# Altium PCB Thermostat_8CH.PCBDOC (part 6 of 10)
Units mil, origin at the board's own origin, x right, y up, seen from the top; angles counter-clockwise.
Board outline 8409.08 x 3937.01 mil, 4 copper layers (TOP, G1, L2, BOT), stack 61.024 mil thick; 941 components, 513 nets, 2912 pads, 1409 vias.
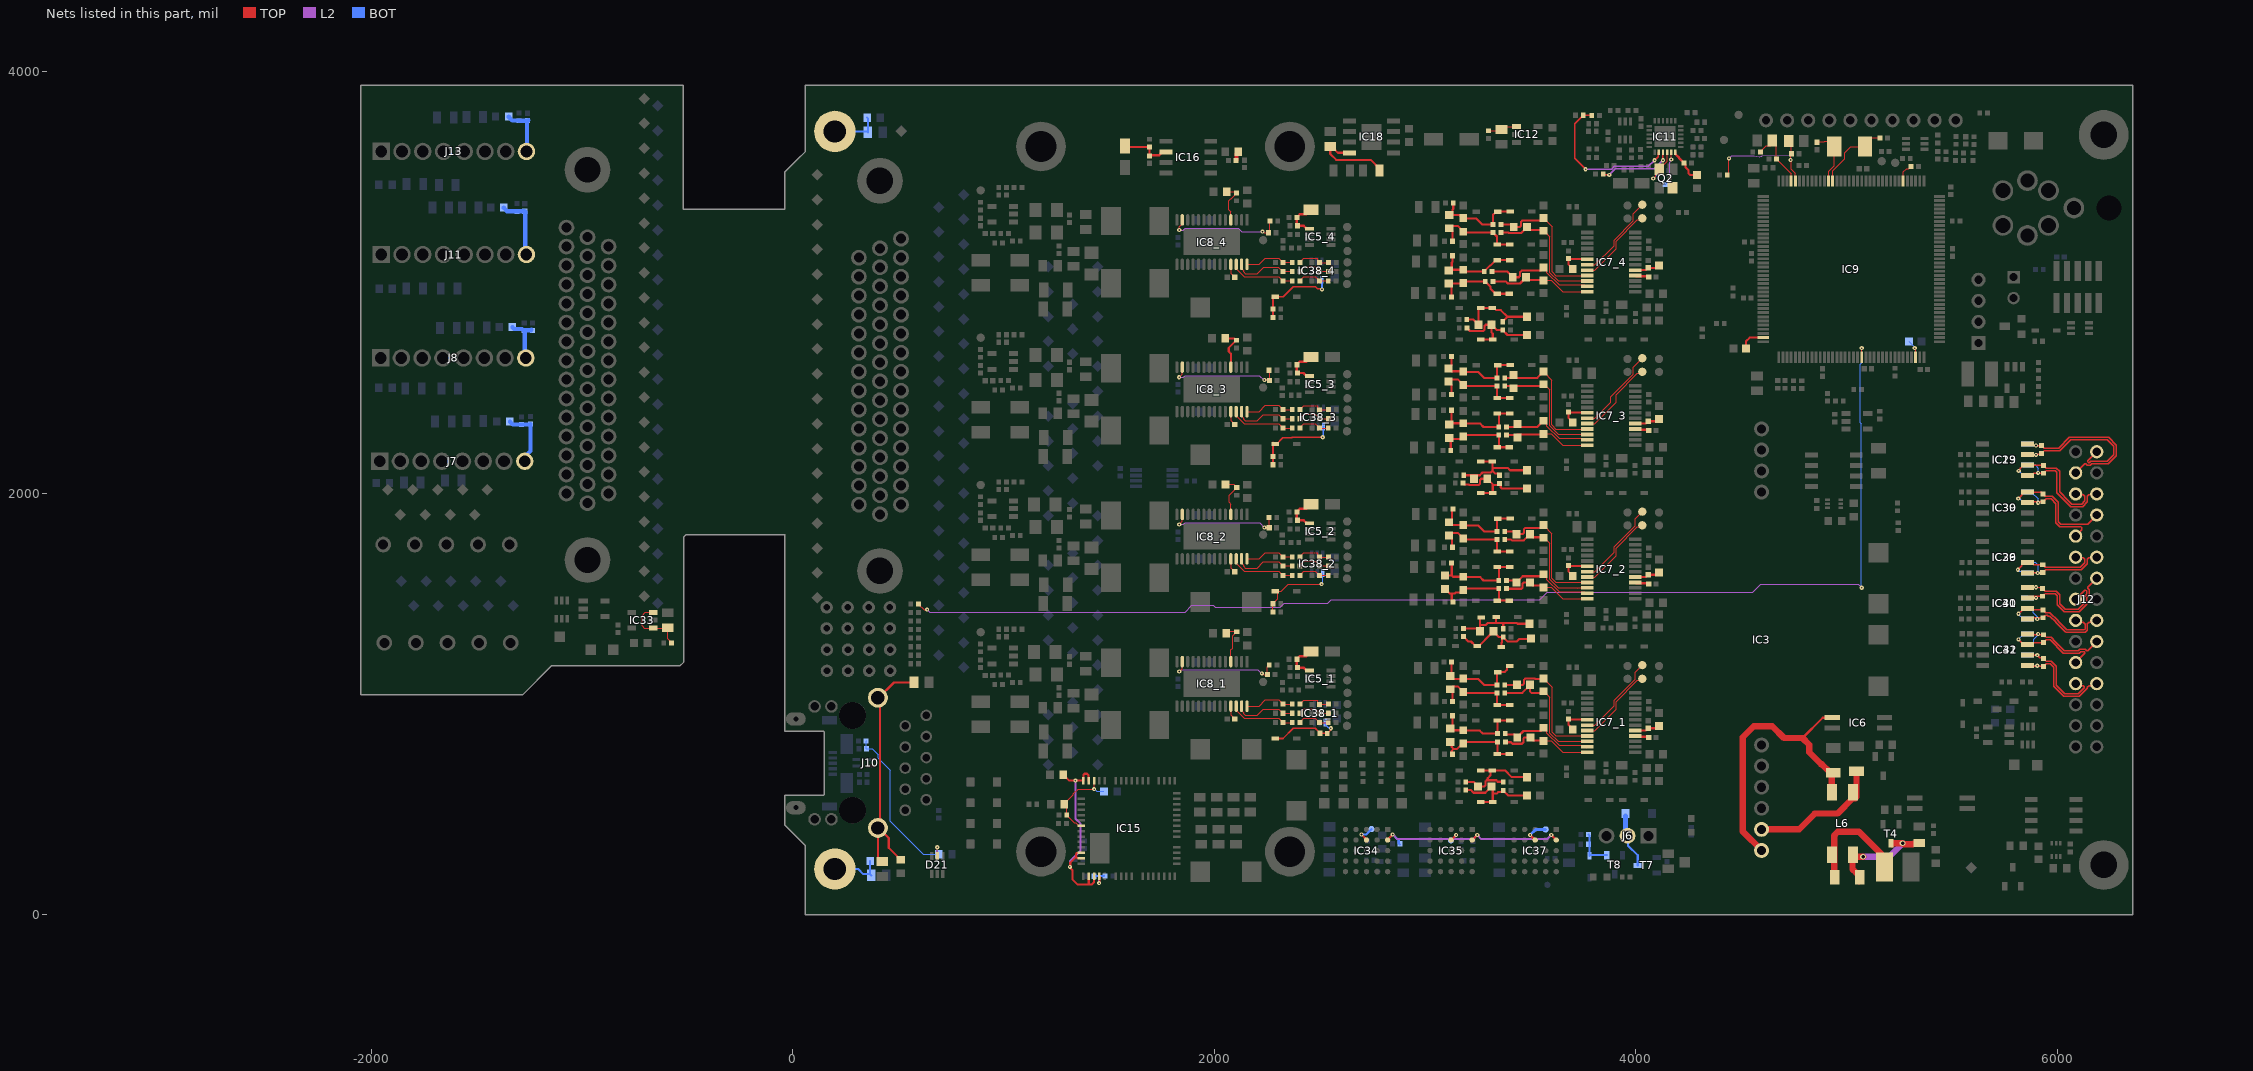
[diagram p8: the nets of this part, all layers, seen from the top]

## Via types
v1: diameter 19.68, hole 7.87, TOP to BOT, tented both sides, 1030 vias
v2: diameter 27.56, hole 15.75, TOP to BOT, tented both sides, 191 vias
v3: diameter 23.62, hole 11.81, TOP to BOT, tented both sides, 97 vias
v4: diameter 23.62, hole 11.81, TOP to BOT, 81 vias
v5: diameter 25.98, hole 12.99, TOP to BOT, tented both sides, 10 vias

## Nets (pads, with @x,y where several pads share a name; then routed paths per layer and width w, separated by ;. In a path a pad name is that pad's centre, name@x,y a point inside that pad or via, vN(x,y) a via of type N, cw(c..) or ccw(c..) an arc to the next point about the centre after c; other vN are vias at no path point) (continued)
LED7: IC9.93 R150.1 | length 5748
  TOP w5: R150.1@595.85,1474.19 622.14,1447.91 v1(636.84,1447.91) ; IC9.93@5071.96,2645.41 v1(5071.96,2688.98)
  L2 w5: v1(636.84,1447.91) 648.72,1436.02 1862,1436.02 1893.58,1467.6 1995.45,1467.6 2004.26,1458.79 2311.74,1458.79 2331.47,1478.52 2538.25,1478.52 2553.56,1493.83 3543.42,1493.83 3580.8,1531.21 4554.03,1531.21 4591.67,1568.85 5054.62,1568.85 v1(5071.96,1551.51)
  BOT w5: v1(5071.96,1551.51) 5069.57,1553.9 5069.57,2330.94 5065.26,2335.25 5065.26,2613.09 5071.96,2619.8 v1(5071.96,2688.98)
LEDR: IC11.2 R17.1 R28.1 | length 727.7
  TOP w6: v1(3761.98,3537.4) 3709.56,3589.82 3709.56,3753.25 3741.35,3785.04 3742.14,3785.04 3750.55,3793.46 R17.1@3750.55,3794.24 3789.92,3794.24 R28.1@3790.85,3793.31 ; v1(4089.36,3580.39) 4106.53,3597.56 4106.53,3615.6 IC11.2@4109.04,3618.11
  L2 w6: v1(3761.98,3537.4) 3884.64,3537.4 3898.2,3550.96 4059.94,3550.96 v1(4089.36,3580.39)
LEDY: IC11.3 R11.1 | length 351.7
  TOP w6: R11.1@3845.28,3515.75 3849.73,3511.29 v1(3874.09,3511.29) ; v1(4128.73,3580.36) IC11.3@4128.73,3618.11
  L2 w6: v1(3874.09,3511.29) 3902.76,3539.96 4088.33,3539.96 v1(4128.73,3580.36)
LVDS0_N: IC19.4 IC23.5 J12.3 R109.2 | length 752
  TOP w5.98: v1(5899,2227.13) 5902.71,2227.13 5905.35,2224.49 5922.94,2224.49 R109.2@5924.98,2226.53 5925.77,2226.53 5934.19,2218.11 5934.19,2217.53 5937.7,2214.02 6006.22,2214.02 6057.84,2265.64 6243.22,2265.64 6279.7,2229.15 6279.7,2177.57 6242.62,2140.49 6164.76,2140.49 6157.32,2133.06 6142.44,2133.06 6135.42,2140.07 6130.47,2140.07 J12.3@6087.18,2096.79
  BOT w5: IC23.5@5858.02,2234.29 5865.3,2227 v1@5899,2227
LVDS0_P: IC19.3 IC23.6 J12.2 R109.1 | length 701.2
  TOP w5.98: v1(5899,2182.33) 5902.71,2182.33 5905.35,2184.97 5920.43,2184.97 R109.1@5924.98,2189.52 5925.77,2189.52 5934.19,2197.95 5934.19,2198.53 5937.7,2202.04 6011.19,2202.04 6062.81,2253.65 6238.25,2253.65 6247.43,2244.47 6255.91,2236 6267.72,2224.19 6267.72,2182.54 6237.66,2152.48 6159.8,2152.48 6152.36,2145.04 6147.4,2145.04 6143.9,2148.55 6143.9,2153.5 J12.2@6187.18,2196.79
  BOT w5: IC23.6@5858.02,2184.29 5859.98,2182.33 v1(5899,2182.33)
LVDS1_N: IC19.1 IC23.7 J12.6 R122.1 | length 587
  TOP w5.98: IC19.1@5858.02,2084.29 5876.72,2084.29 5887.43,2095 5909,2095 R122.1@5934.69,2095 5935.47,2095 5943.9,2103.42 5943.9,2104 5947.4,2107.51 5990.08,2107.51 5998.63,2098.96 5998.63,2002.25 6063.82,1937.07 6121.36,1937.07 6143.17,1958.88 6143.17,1986.28 6150.21,1993.33 6183.72,1993.33 J12.6@6187.18,1996.79
  BOT w5: IC23.7@5858.02,2134.29 5894.66,2134.29 5909,2119.95 v1(5909,2097)
LVDS1_P: IC19.2 IC23.8 J12.5 R122.2 | length 589.7
  TOP w5.98: v1(5817.01,2106.59) 5817.01,2109.48 5824.48,2116.95 5824.48,2117.68 5830.5,2123.69 5830.5,2125.47 5839.32,2134.29 IC19.2@5858.02,2134.29 5860.3,2132 R122.2@5934.69,2132 5935.47,2132 5943.9,2123.58 5943.9,2123 5947.4,2119.49 5995.04,2119.49 6010.62,2103.92 6010.62,2007.22 6029.75,1988.08 6033.99,1983.85 6068.78,1949.05 6116.4,1949.05 6131.19,1963.84 6131.19,1986.28 6124.15,1993.33 6090.64,1993.33 J12.5@6087.18,1996.79
  BOT w5: v1(5817.01,2106.59) 5819,2104.6 5839.32,2084.29 IC23.8@5858.02,2084.29
LVDS2_N: IC30.7 IC39.1 J12.9 R173.1 | length 509.2
  TOP w5.98: IC30.7@5858.01,1955.38 5862.48,1959.84 R173.1@5932.4,1959.84 5933.19,1959.84 5947.65,1974.3 5964.47,1974.3 5970.46,1974.3 5993.41,1951.35 5993.41,1860.66 6012.55,1841.52 6111.47,1841.52 6114.97,1838.01 6114.97,1826.23 6087.18,1798.44 J12.9@6087.18,1796.79
  BOT w5: IC39.1@5858.02,2005.37 5876.72,2005.37 5909,1973.09 v1(5909,1955.37)
LVDS2_P: IC30.8 IC39.2 J12.8 R173.2 | length 575.2
  TOP w5.98: v1(5814.56,1974.47) 5830.49,1990.39 5830.49,1996.56 5839.31,2005.38 IC30.8@5858.01,2005.38 5919.69,2005.38 5919.79,2005.28 5923.98,2005.28 R173.2@5932.4,1996.85 5933.19,1996.85 5943.76,1986.28 5954.94,1986.28 5975.43,1986.28 6005.4,1956.31 6005.4,1865.62 6017.52,1853.5 6116.43,1853.5 6117.46,1852.47 6134.39,1852.47 6135.42,1853.5 6143.9,1853.5 J12.8@6187.18,1896.79
  BOT w5: v1(5814.56,1974.47) 5815.94,1973.09 5821.6,1973.09 5839.32,1955.37 IC39.2@5858.02,1955.37
LVDS3_N: IC29.1 IC36.7 J12.12 R111.1 | length 465.2
  TOP w5.98: IC29.1@5858.01,1621.79 5859.84,1623.62 R111.1@5930.97,1623.62 5931.76,1623.62 5940.18,1632.04 5940.18,1632.62 5943.69,1636.13 5972.77,1636.13 5973.63,1636.99 6113.95,1636.99 6143.17,1666.21 6143.17,1686.73 6150.21,1693.77 6184.17,1693.77 J12.12@6187.18,1696.79
  BOT w5: IC36.7@5858.01,1671.79 5894.66,1671.79 5909,1657.45 v1@5909,1621.79
  other v1: 5907.03,1621.79
LVDS3_P: IC29.2 IC36.8 J12.11 R111.2 | length 471.7
  TOP w5.98: v1(5813.04,1636.93) 5831.43,1655.32 5831.43,1662.97 5840.25,1671.79 IC29.2@5858.01,1671.79 5876.71,1671.79 5887.87,1660.63 R111.2@5930.97,1660.63 5931.76,1660.63 5940.18,1652.2 5940.18,1651.62 5943.69,1648.11 5967.8,1648.11 5968.66,1648.97 6108.99,1648.97 6131.19,1671.17 6131.19,1686.73 6124.15,1693.77 6090.19,1693.77 J12.11@6087.18,1696.79
  BOT w5: v1(5813.04,1636.93) 5814.21,1636.93 5820.04,1631.1 5848.7,1631.1 IC36.8@5858.01,1621.79
LVDS4_N: IC31.4 IC40.5 J12.15 R116.2 | length 516.8
  TOP w5: IC31.4@5858.01,1553.79 v1(5899,1553.79) 5915.39,1553.79 R116.2@5921.26,1547.91
  TOP w5.98: R116.2@5929.14,1548.5 5929.93,1548.5 5938.35,1540.08 5938.35,1539.5 5941.86,1535.99 5994.83,1535.99 6012.29,1518.53 6012.29,1475.17 6037.26,1450.2 6098.53,1450.2 6127.65,1479.32 6127.65,1510.05 6138.93,1521.33 6138.93,1536.57 6135.42,1540.07 6130.47,1540.07 J12.15@6087.18,1496.79
  BOT w5: IC40.5@5858.01,1553.79 v1(5899,1553.79)
LVDS4_P: IC31.3 IC40.6 J12.14 R116.1 | length 555.2
  TOP w5.98: IC31.3@5858.01,1503.79 5865.72,1511.5 R116.1@5929.14,1511.5 5929.93,1511.5 5938.35,1519.92 5938.35,1520.5 5941.86,1524.01 5989.86,1524.01 5995.35,1518.53 6000.31,1513.56 6000.31,1470.2 6003.82,1466.69 6032.3,1438.21 6103.49,1438.21 6139.64,1474.36 6139.64,1505.09 6150.91,1516.36 6150.91,1541.53 6143.9,1548.55 6143.9,1553.5 J12.14@6187.18,1596.79
  BOT w5: IC40.6@5858.01,1503.79 v1(5899,1503.79)
LVDS5_N: IC31.1 IC40.7 J12.18 R114.1 | length 492.4
  TOP w5.98: IC31.1@5858.01,1403.79 5863.87,1409.65 R114.1@5931.76,1409.65 5932.55,1409.65 5940.97,1418.07 5940.97,1418.65 5944.48,1422.16 5952.94,1422.16 5957.62,1417.48 5963.7,1417.48 5991.84,1389.34 5991.84,1388.41 6037.88,1342.37 6039.29,1342.37 6040.8,1340.86 6133.23,1340.86 6143.17,1350.8 6143.17,1380.68 6150.6,1388.1 6178.5,1388.1 J12.18@6187.18,1396.79
  BOT w5: IC40.7@5858.01,1453.79 5876.71,1453.79 5886.02,1444.48 5886.02,1433.63 5905.03,1414.63 v1(5905.03,1403.79)
LVDS5_P: IC31.2 IC40.8 J12.17 R114.2 | length 501.9
  TOP w5.98: v1(5815.94,1428.15) 5830.49,1442.7 5830.49,1444.97 5839.31,1453.79 IC31.2@5858.01,1453.79 5865.14,1446.65 R114.2@5931.76,1446.65 5932.55,1446.65 5940.97,1438.23 5940.97,1437.65 5944.48,1434.14 5963.98,1434.14 6003.82,1394.31 6003.82,1393.38 6013.28,1383.92 6045.35,1351.85 6128.68,1351.85 6132.19,1355.35 6132.19,1379.68 6123.77,1388.1 6095.86,1388.1 J12.17@6087.18,1396.79
  BOT w5: v1(5815.94,1428.15) 5815.94,1427.16 5839.31,1403.79 IC40.8@5858.01,1403.79
LVDS6_N: IC32.7 IC41.1 J12.21 R174.1 | length 484.8
  TOP w5.98: v1(5815.94,1306.97) 5831.73,1291.18 5831.73,1290.71 5840.55,1281.89 IC32.7@5859.25,1281.89 5877.95,1281.89 5887.56,1291.5 R174.1@5934.69,1291.5 5935.47,1291.5 5943.9,1299.92 5943.9,1300.5 5947.4,1304.01 5965.57,1304.01 6027.94,1241.63 6104.82,1241.63 6111.72,1248.53 6126.96,1248.53 6130.47,1245.03 6130.47,1240.07 J12.21@6087.18,1196.79
  BOT w5: v1(5815.94,1306.97) 5815.94,1307.28 5840.55,1331.89 IC41.1@5859.25,1331.89
LVDS6_P: IC32.8 IC41.2 J12.20 R174.2 | length 465.9
  TOP w5.98: IC32.8@5859.25,1331.89 5862.64,1328.5 R174.2@5934.69,1328.5 5935.47,1328.5 5943.9,1320.08 5943.9,1319.5 5947.4,1315.99 5970.53,1315.99 5990.45,1296.08 6001.89,1284.64 6032.91,1253.61 6099.85,1253.61 6106.76,1260.52 6131.92,1260.52 6138.94,1253.5 6143.9,1253.5 J12.20@6187.18,1296.79
  BOT w5: IC41.2@5859.25,1281.89 5877.95,1281.89 5887.26,1291.2 5887.26,1306.97 5909,1328.71 v1(5909,1331.89)
LVDS7_N: IC32.5 IC41.4 J12.24 R175.2 | length 525.4
  TOP w5.98: IC32.5@5859.25,1181.89 5862.86,1178.28 R175.2@5934.69,1178.28 5935.47,1178.28 5943.9,1186.71 5943.9,1187.29 5947.4,1190.8 5965.98,1190.8 5983.36,1173.42 5983.36,1083.38 6030.47,1036.28 6104.54,1036.28 6143.17,1074.91 6143.17,1079.87 6151,1087.7 6178.09,1087.7 J12.24@6187.18,1096.79
  BOT w5: IC41.4@5859.25,1181.89 v1(5905.03,1181.89)
LVDS7_P: IC32.6 IC41.3 J12.23 R175.1 | length 508.9
  TOP w5.98: IC32.6@5859.25,1231.89 v1(5905.03,1231.89) 5917.01,1219.9 5930.07,1219.9 R175.1@5934.69,1215.29 5935.47,1215.29 5943.9,1206.87 5943.9,1206.29 5947.4,1202.78 5970.95,1202.78 5976.28,1197.45 5995.35,1178.38 5995.35,1088.34 6003.82,1079.87 6035.43,1048.26 6099.58,1048.26 6128.71,1077.39 6128.71,1082.35 6123.36,1087.7 6096.27,1087.7 J12.23@6087.18,1096.79
  BOT w5: IC41.3@5859.25,1231.89 v1(5905.03,1231.89)
MaxCurrentNeg_1: C70_1.1 IC8_1.26 R56_1.2 | length 309.8
  TOP w5: IC8_1.26@2103.62,989.96 2103.62,969.88 2142.1,931.4 2305.3,931.4 C70_1.1@2325.01,911.7 R56_1.2@2369.29,911.7
MaxCurrentNeg_2: C70_2.1 IC8_2.26 R56_2.2 | length 309.8
  TOP w5: IC8_2.26@2103.62,1688.78 2103.62,1668.7 2142.1,1630.22 2305.3,1630.22 C70_2.1@2325.01,1610.52 R56_2.2@2369.29,1610.52
MaxCurrentNeg_3: C70_3.1 IC8_3.26 R56_3.2 | length 309.8
  TOP w5: IC8_3.26@2103.62,2387.6 2103.62,2367.52 2142.1,2329.04 2305.3,2329.04 C70_3.1@2325.01,2309.34 R56_3.2@2369.29,2309.34
MaxCurrentNeg_4: C70_4.1 IC8_4.26 R56_4.2 | length 309.8
  TOP w5: IC8_4.26@2103.62,3086.42 2103.62,3066.34 2142.1,3027.86 2305.3,3027.86 C70_4.1@2325.01,3008.15 R56_4.2@2369.29,3008.15
MaxCurrentPos_1: C72_1.1 IC8_1.27 R58_1.2 | length 293.2
  TOP w5: IC8_1.27@2129.21,989.96 2129.21,968.93 2139.33,958.81 2139.33,954.68 2147.54,946.47 2203.6,946.47 2232.98,975.84 2305.3,975.84 C72_1.1@2325.01,956.14 R58_1.2@2369.29,956.14
MaxCurrentPos_2: C72_2.1 IC8_2.27 R58_2.2 | length 293.2
  TOP w5: IC8_2.27@2129.21,1688.78 2129.21,1667.75 2139.33,1657.63 2139.33,1653.5 2147.54,1645.29 2203.6,1645.29 2232.98,1674.66 2305.3,1674.66 C72_2.1@2325.01,1654.96 R58_2.2@2369.29,1654.96
MaxCurrentPos_3: C72_3.1 IC8_3.27 R58_3.2 | length 293.2
  TOP w5: IC8_3.27@2129.21,2387.6 2129.21,2366.57 2139.33,2356.45 2139.33,2352.32 2147.54,2344.11 2203.6,2344.11 2232.98,2373.48 2305.3,2373.48 C72_3.1@2325.01,2353.78 R58_3.2@2369.29,2353.78
MaxCurrentPos_4: C72_4.1 IC8_4.27 R58_4.2 | length 294
  TOP w5: IC8_4.27@2129.21,3086.42 2129.21,3065.39 2139.33,3055.27 2139.33,3051.14 2147.54,3042.93 2203.6,3042.93 2234.03,3073.35 2304.25,3073.35 C72_4.1@2325.01,3052.59 R58_4.2@2369.29,3052.59
MaxVoltage_1: C74_1.1 IC8_1.28 R60_1.2 | length 235.5
  TOP w5: IC8_1.28@2154.8,989.96 2212,989.96 2242,1019.97 2304.36,1019.97 C74_1.1@2325.01,999.31 R60_1.2@2369.29,999.31
MaxVoltage_2: C74_2.1 IC8_2.28 R60_2.2 | length 235.5
  TOP w5: IC8_2.28@2154.8,1688.78 2212,1688.78 2242,1718.78 2304.36,1718.78 C74_2.1@2325.01,1698.13 R60_2.2@2369.29,1698.13
MaxVoltage_3: C74_3.1 IC8_3.28 R60_3.2 | length 235.5
  TOP w5: IC8_3.28@2154.8,2387.6 2212,2387.6 2242,2417.6 2304.36,2417.6 C74_3.1@2325.01,2396.95 R60_3.2@2369.29,2396.95
MaxVoltage_4: C74_4.1 IC8_4.28 R60_4.2 | length 235.5
  TOP w5: IC8_4.28@2154.8,3086.42 2212,3086.42 2242,3116.42 2304.36,3116.42 C74_4.1@2325.01,3095.77 R60_4.2@2369.29,3095.77
NetB8_1_1: B8_1.1 IC7_1.19 | length 415.4
  TOP w5: IC7_1.19@3768.53,899.54 3805.56,899.54 3896.71,990.69 3896.71,1016.96 3997.96,1118.2 3997.96,1151.74 B8_1.1@4030.82,1184.61
NetB8_2_1: B8_2.1 IC7_2.19 | length 415.4
  TOP w5: IC7_2.19@3768.53,1627.88 3805.56,1627.88 3896.71,1719.04 3896.71,1745.3 3997.13,1845.72 3997.13,1879.26 B8_2.1@4030.82,1912.95
NetB8_3_1: B8_3.1 IC7_3.19 | length 415.4
  TOP w5: IC7_3.19@3768.53,2356.23 3805.56,2356.23 3881.28,2431.95 3881.28,2458.22 3987.92,2564.85 3987.92,2598.39 B8_3.1@4030.82,2641.3
NetB8_4_1: B8_4.1 IC7_4.19 | length 415.4
  TOP w5: IC7_4.19@3768.53,3084.58 3805.56,3084.58 3896.71,3175.73 3896.71,3202 3987.92,3293.2 3987.92,3326.74 B8_4.1@4030.82,3369.64
NetB9_1_1: B9_1.1 IC7_1.20 | length 385.6
  TOP w5: IC7_1.20@3768.53,873.95 3805.56,873.95 3906.71,975.1 3906.71,1011.91 4007.87,1113.07 4024.25,1113.07 B9_1.1@4030.82,1119.64
NetB9_2_1: B9_2.1 IC7_2.20 | length 385.6
  TOP w5: IC7_2.20@3768.53,1602.29 3805.56,1602.29 3906.71,1703.45 3906.71,1740.26 4007.87,1841.41 4024.25,1841.41 B9_2.1@4030.82,1847.99
NetB9_3_1: B9_3.1 IC7_3.20 | length 385.6
  TOP w5: IC7_3.20@3768.53,2330.64 3805.56,2330.64 3906.71,2431.8 3906.71,2468.6 4007.87,2569.76 4024.25,2569.76 B9_3.1@4030.82,2576.34
NetB9_4_1: B9_4.1 IC7_4.20 | length 385.6
  TOP w5: IC7_4.20@3768.53,3058.99 3805.56,3058.99 3906.71,3160.14 3906.71,3196.95 4007.87,3298.11 4024.25,3298.11 B9_4.1@4030.82,3304.68
NetB10_1: B10.1 IC34.C2 | length 98
  TOP w10: v1@2695.23,377.91 v1@2701.15,377.91 ; v1(2698.08,380.97) v1@2701.15,377.91 ; v1@2701.27,377.91 v1@2701.15,377.91 ; IC34.C2@2722.11,357.07 v1@2701.15,377.91
  BOT w10: v1(2698.08,380.97) 2720.27,380.97 B10.1@2745.62,406.32
NetB18_1: B18.1 IC37.C2 | length 118.6
  TOP w13.78: v1(3498.32,378.45) IC37.C2@3522.36,354.55
  BOT w13.78: v1(3498.32,378.45) 3524.71,404.84 B18.1@3572.07,404.84
NetB19_1: B19.1 IC35.C2 | length 75.9
  TOP w10: IC35.C2@3123.25,354.71 v1@3144.09,375.66 ; v1@3144.09,375.55 v1@3144.09,375.66 ; v1@3144.09,381.59 v1@3144.09,375.66 ; v1(3147.15,378.74) v1@3144.09,375.66
  BOT w10: B19.1@3122.36,353.09 3147.15,377.87 v1(3147.15,378.74)
NetC5_1: C5.1 L6.2 R64.2 T4.3 | length 538.8
  TOP w30: L6.2@5030.31,285.43 5028,283.12 5028,216.01 5045.57,198.43 5055.42,198.43 5059.06,194.8 C5.1@5059.06,157.48 ; L6.2@5036.14,275.59 v2(5078.74,275.59) ; T4.3@5216.54,334.65 5220.89,339 v2(5266,339) 5271,334 5314.87,334 5317.8,336.93 5341.3,336.93 R64.2@5345,340.63
  L2 w30: v2(5078.74,275.59) 5202.59,275.59 v2(5266,339)
NetC5_2: C5.2 L1.2 L6.1 | length 542.2
  TOP w30: C5.2@4940.94,177.17 4940.94,285.43 4940.94,376.13 4958.52,393.7 5059.06,393.7 5164.76,287.99 5164.76,241.24 L1.2@5180.01,226
NetC6_2: C6.2 IC3.1 IC6.1 L6.4 | length 1389.1
  TOP w10: 4790.96,838.96 4886.83,934.83 4930.74,934.83 IC6.1@4932.39,936.48
  TOP w30: IC3.1@4596.85,305.24 4507.05,395.04 4507.05,842.43 4559.65,895.04 4647.27,895.04 4703.35,838.96 4790.96,838.96 4822.83,807.09 4822.83,770.55 4879.05,714.33 4883.11,714.33 4921.26,676.18 C6.2@4921.26,669.29 ; L6.4@4930.31,580.71 C6.2@4930.31,658.66
NetC7_2: C7.2 IC3.2 L6.3 | length 651.9
  TOP w30: IC3.2@4596.85,405.24 4774.89,405.24 4849.77,480.11 4956.88,480.11 5030.31,553.54 L6.3@5030.31,580.71 ; L6.3@5041.73,553.54 5047.24,559.06 C7.2@5047.24,681.1
NetC16_1_1: C16_1.1 C120_1.2 D30_1.2 D32_1.1 R140_1.2 R151_1.1 | length 498.1
  TOP w10: R140_1.2@3193.27,629.16 3232.03,629.16 3251.72,609.47 C120_1.2@3251.72,608.49 3280.15,608.49 3286.01,614.34 3286.01,632.31 3291.87,638.17 3297.19,638.17 ; D32_1.1@3264.76,684.27 3380.29,684.27 3411.79,652.78 C16_1.1@3483.01,652.78 ; D30_1.2@3315.2,684.27 3310.36,679.43 3310.36,661.34 3297.19,648.17 3297.19,638.17 ; R151_1.1@3370.81,629.16 3368.64,631.33 3344.39,631.33 3337.55,638.17 3297.19,638.17
NetC16_2_1: C16_2.1 C120_2.2 D30_2.2 D32_2.1 R140_2.2 R151_2.1 | length 478.3
  TOP w10: R140_2.2@3182.83,1358.29 3183.61,1357.5 C120_2.2@3244.18,1357.5 ; C120_2.2@3249.07,1359.63 C120_2.2@3259.58,1349.12 ; C120_2.2@3261.18,1343.94 3261.18,1349.12 3261.18,1374.5 ; D32_2.1@3266.68,1410.41 3266.02,1410.41 3261.18,1405.57 3261.18,1374.5 ; 3296.92,1384.67 3435.54,1384.67 3439.09,1381.12 C16_2.1@3494.64,1381.12 ; 3336.73,1384.71 3332.52,1384.71 ; D30_2.2@3336.73,1413 3336.73,1388.92 3332.52,1384.71 ; R151_2.1@3370.81,1357.5 3370.81,1381.08 ; 3261.18,1374.5 3286.75,1374.5 3296.96,1384.71 3332.52,1384.71
NetC16_3_1: C16_3.1 C120_3.2 D30_3.2 D32_3.1 R140_3.2 R151_3.1 | length 479.2
  TOP w10: R140_3.2@3183.41,2085.85 C120_3.2@3247.72,2085.85 ; C120_3.2@3232.03,2069.17 3232.03,2070.16 C120_3.2@3247.72,2085.85 ; D32_3.1@3264.76,2150.81 D30_3.2@3319.63,2150.81 3319.63,2114.61 ; R151_3.1@3352.31,2085.85 3352.31,2086.64 3345.89,2093.05 3332.9,2093.05 3319.63,2106.32 ; C16_3.1@3483.01,2109.47 3402.9,2109.47 3391.9,2120.46 3325.49,2120.46 3319.63,2114.61 ; C120_3.2@3247.72,2085.85 3259.17,2085.85 3272.18,2098.86 3312.17,2098.86 3319.63,2106.32 ; 3319.63,2106.32 3319.63,2114.61
NetC16_4_1: C16_4.1 C120_4.2 D30_4.2 D32_4.1 R140_4.2 R151_4.1 | length 445.7
  TOP w10: R140_4.2@3197.21,2825.02 3228.8,2825.02 C120_4.2@3252.9,2800.92 ; C120_4.2@3252.9,2799.94 C120_4.2@3252.9,2800.92 ; D30_4.2@3319.63,2879.16 3327.5,2879.16 3337.35,2869.31 ; R151_4.1@3368.42,2814.2 3368.42,2814.98 3391.26,2837.82 ; C16_4.1@3483.01,2837.82 3391.26,2837.82 ; C120_4.2@3252.9,2800.92 3252.9,2874.31 3257.74,2879.16 3306.91,2879.16 3308,2878.07 3308,2875.4 3331.26,2875.4 3337.35,2869.31 ; 3337.35,2869.31 3359.76,2869.31 3391.26,2837.82
NetC17_2: C17.2 IC9.106 | length 89
  TOP w5: v1(5323.94,2688.98) 5327.87,2685.05 IC9.106@5327.87,2645.41
  BOT w5: C17.2@5296.03,2721.2 5321.13,2696.11 5321.13,2691.79 v1(5323.94,2688.98)
NetC18_2: C18.2 IC9.71 | length 122.8
  TOP w10: C18.2@4522.14,2687.74 4522.14,2720.64 4540.42,2738.92 IC9.71@4604.44,2738.92
NetC19_1: C19.1 C37.1 IC16.2 R97.2 | length 248.1
  TOP w10: C37.1@1575.79,3647.64 1580.51,3642.91 R97.2@1692.91,3642.91 C19.1@1692.91,3601.38 1695.54,3604 1738.76,3604 1744.61,3609.86 1744.61,3613.79 1751.42,3620.6 IC16.2@1770.13,3620.6
NetC20_1_1: C20_1.1 C76_1.1 IC5_1.1 R71_1.1 | length 172.2
  TOP w11.81: C76_1.1@2389.76,1169.29 2391.54,1171.06 R71_1.1@2391.54,1212.6 ; C76_1.1@2393.7,1173.23 2423.43,1173.23 2437.21,1159.45 IC5_1.1@2439.96,1159.45 ; R71_1.1@2394.68,1217.52 2395.67,1217.52 2405.06,1226.91 2435.77,1226.91 C20_1.1@2457.88,1249.01
NetC20_2_1: C20_2.1 C76_2.1 IC5_2.1 R71_2.1 | length 172.2
  TOP w11.81: C76_2.1@2389.76,1868.11 2391.54,1869.88 R71_2.1@2391.54,1911.42 ; C76_2.1@2393.7,1872.05 2423.43,1872.05 2437.21,1858.27 IC5_2.1@2439.96,1858.27 ; R71_2.1@2394.68,1916.34 2395.67,1916.34 2405.06,1925.73 2435.77,1925.73 C20_2.1@2457.88,1947.83
NetC20_3_1: C20_3.1 C76_3.1 IC5_3.1 R71_3.1 | length 172.2
  TOP w11.81: C76_3.1@2389.76,2566.93 2391.54,2568.7 R71_3.1@2391.54,2610.24 ; C76_3.1@2393.7,2570.87 2423.43,2570.87 2437.21,2557.09 IC5_3.1@2439.96,2557.09 ; R71_3.1@2394.68,2615.16 2395.67,2615.16 2405.06,2624.54 2435.77,2624.54 C20_3.1@2457.88,2646.65
NetC20_4_1: C20_4.1 C76_4.1 IC5_4.1 R71_4.1 | length 172.2
  TOP w11.81: C76_4.1@2389.76,3265.75 2391.54,3267.52 R71_4.1@2391.54,3309.06 ; C76_4.1@2393.7,3269.68 2423.43,3269.68 2437.21,3255.91 IC5_4.1@2439.96,3255.91 ; R71_4.1@2394.68,3313.98 2395.67,3313.98 2405.06,3323.36 2435.77,3323.36 C20_4.1@2457.88,3345.47
NetC21_1: C21.1 IC9.23 Q1.1 | length 360.7
  TOP w5: IC9.23@4934.17,3482.03 4934.17,3530.51 4991.1,3587.45 4991.1,3616.63 5019.52,3645.05 Q1.1@5087.29,3645.05 5118.25,3676.01 5118.25,3686.21 C21.1@5158.86,3686.21
NetC22_1: C22.1 IC9.24 Q1.2 | length 269.4
  TOP w5: C22.1@4859.66,3665.62 4862.81,3668.77 4894.71,3668.77 4897.2,3671.26 4915.4,3671.26 Q1.2@4941.62,3645.05 4940.94,3644.38 4940.94,3555.12 4914.48,3528.65 IC9.24@4914.48,3482.03
NetC23_1: C23.1 C28.2 IC9.33 L5.1 | length 307.4
  TOP w5: L5.1@4591.05,3620.12 4619.48,3648.54 4641.39,3648.54 C28.2@4651.36,3658.51 ; C28.2@4646.53,3673.27 4651.36,3668.45 C28.2@4651.36,3658.51 ; IC9.33@4737.32,3482.03 4737.32,3516.49 C23.1@4667.2,3586.61 4667.2,3642.67 4666.67,3643.19 4666.67,3647.23 4655.39,3658.51 C28.2@4651.36,3658.51
NetC24_1: C24.1 C25.2 IC9.32 R70.1 | length 604.7
  TOP w5: R70.1@4433.88,3510.83 4441.87,3518.82 v1(4441.87,3589.57) ; C25.2@4726.42,3671.71 4737.32,3660.82 4737.32,3611.49 4734.58,3608.76 v1@4734.58,3583.66 ; v1(4734.58,3581.8) 4737.32,3579.06 4737.32,3537.4 4757,3517.72 IC9.32@4757,3482.03
  L2 w5: v1(4441.87,3589.57) 4454.8,3602.49 4458.94,3602.49 4562.41,3601.2 4585.87,3598.17 ccw(c4588.54,3619.28) 4600.87,3601.94 4729.36,3603.96 4732.21,3603.96 4734.58,3601.58 v1(4734.58,3581.8)
NetC27_1: C27.1 R96.2 | length 37
  TOP w20: C27.1@2102.36,3579.72 2104.57,3581.93 2104.57,3609.49 2107.68,3612.6 R96.2@2107.68,3614.57
NetC34_2: C34.2 IC15.4 R95.1 | length 112.5
  TOP w10: v1(1453,150) 1454.85,151.85 1454.85,174.47 1456,175.62 IC15.4@1456,179
  BOT w10: C34.2@1429.19,182.87 1429.88,183.56 1453,183.56 ; v1(1453,150) 1453,183.56 ; R95.1@1477,185 1475.56,183.56 1453,183.56
NetC36_2: C36.2 IC11.4 Q2.3 | length 202.5
  TOP w5: v1(4082.4,3494.09) 4093.57,3505.27 4093.57,3519.96 Q2.3@4111.01,3537.4 4111.01,3542.32 4131.15,3562.46 4135.35,3562.46 4148.41,3575.52 IC11.4@4148.41,3618.11
  BOT w5: v1@4086.41,3498.04 C36.2@4120.85,3532.48
NetC45_1_1: C45_1.1 C46_1.1 IC7_1.21 R41_1.2 | length 650.8
  TOP w5: C45_1.1@3561.2,1119.01 3562.19,1119.01 3602.36,1078.83 3602.36,866.03 3620.03,848.36 IC7_1.21@3768.53,848.36
  TOP w10: R41_1.2@3377.94,1090.85 3463.74,1090.85 3469.6,1096.7 3469.6,1114.67 3475.46,1120.53 3521.14,1120.53 3522.67,1119.01 C45_1.1@3561.2,1119.01
NetC45_2_1: C45_2.1 C46_2.1 IC7_2.21 R41_2.2 | length 660.2
  TOP w5: C45_2.1@3561.2,1847.35 3562.19,1847.35 3600.62,1808.92 3600.62,1596.12 3620.03,1576.7 IC7_2.21@3768.53,1576.7
  TOP w10: R41_2.2@3377.94,1819.19 3421.68,1819.19 C46_2.1@3434.58,1806.3 3463.01,1806.3 3468.87,1812.16 3468.87,1830.13 3474.73,1835.98 3549.84,1835.98 C45_2.1@3561.2,1847.35
NetC45_3_1: C45_3.1 C46_3.1 IC7_3.21 R41_3.2 | length 639
  TOP w5: C45_3.1@3561.2,2575.7 3562.19,2575.7 3600.62,2537.27 3600.62,2324.46 3620.03,2305.05 IC7_3.21@3768.53,2305.05
  TOP w10: R41_3.2@3377.94,2547.54 3532.06,2547.54 3560.22,2575.7 C45_3.1@3561.2,2575.7